# Altium PCB rv_ledbrick_8ch.PcbDoc (part 1 of 3) (continued)
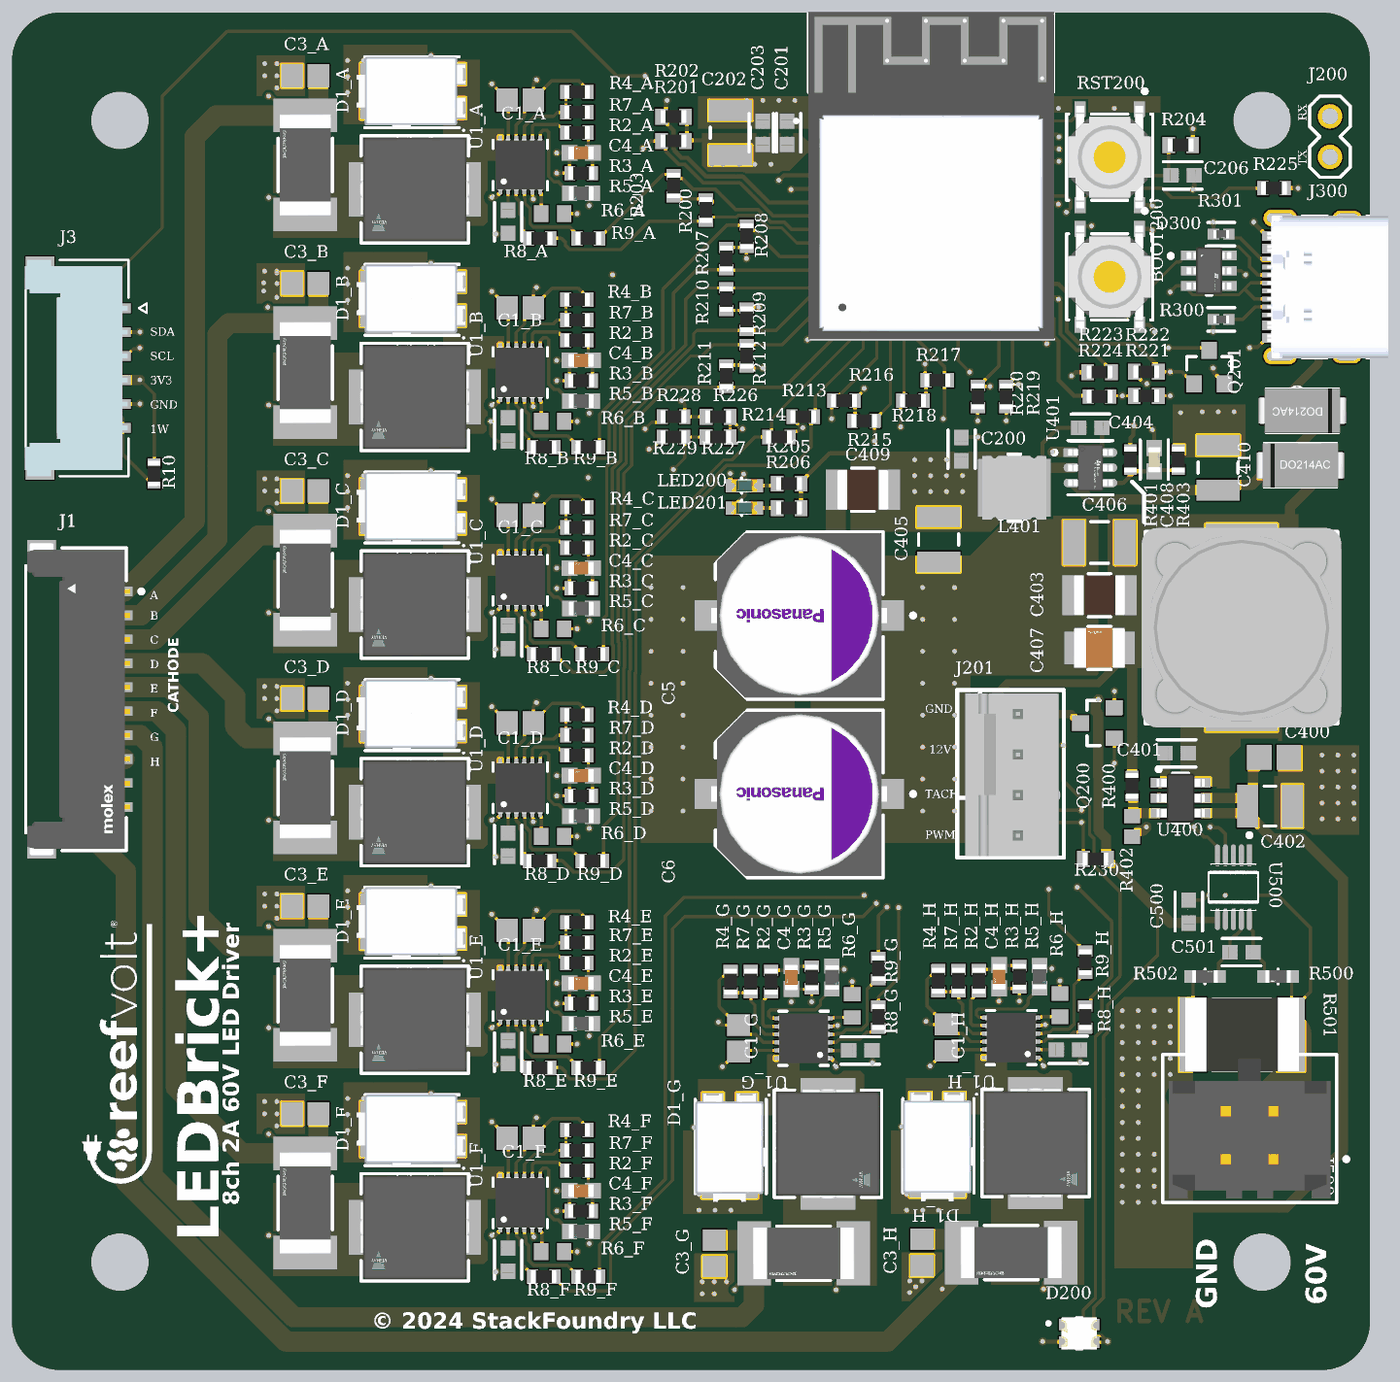
[diagram p6: 3D render of the assembled board from above, using the file's embedded part models]

## Layer stack, top to bottom
Top Solder: solder mask 1, SM-001, Dk 4
Top Layer: signal copper 1.378
Dielectric 1: prepreg 5.1, PP-017, Dk 4.3
Dielectric 2: prepreg 5.1, PP-017, Dk 4.3
Int1 (GND): signal copper 1.378
Dielectric 3: core 28, Core-039, Dk 4.8
Int2 (PWR): signal copper 1.378
Dielectric 4: prepreg 5.1, PP-017, Dk 4.3
Dielectric 5: prepreg 5.1, PP-017, Dk 4.3
Bottom Layer: signal copper 1.378
Bottom Solder: solder mask 1, SM-001, Dk 4

## Board outline
0,118.11 0,3228.35 cw(c118.11,3228.35) 118.11,3346.46 3228.35,3346.46 cw(c3228.35,3228.35) 3346.46,3228.35 3346.46,118.11 cw(c3228.35,118.11) 3228.35,0 118.11,0 cw(c118.11,118.11)

## Design rules (kind name [scope] priority, off if disabled: settings)
BoardOutlineClearance [All] p1: gap=20 ignorepadtopadclearanceinfootprint=FALSE
Clearance Clearance_HV [InNetClass('HV') vs Not InNetClass('HV')] p1: gap=9.84 ignorepadtopadclearanceinfootprint=FALSE except(5.91: SMDPad-SMDPad; 7.87: Track-SMDPad; 15.75: SMDPad-Poly Fill-Fill Fill-Poly Poly-Poly)
Clearance [All] p2: gap=6 ignorepadtopadclearanceinfootprint=FALSE
PolygonConnect [All] p1: thpad.connectstyle=Relief thpad.reliefconductorwidth=45 thpad.reliefentries=4 thpad.polygonreliefangle="90 Angle" thpad.airgapwidth=10 smdpad.connectstyle=Direct smdpad.reliefconductorwidth=10 smdpad.reliefentries=4 smdpad.polygonreliefangle="90 Angle" smdpad.airgapwidth=10 via.connectstyle=Direct via.reliefconductorwidth=10 via.reliefentries=4 via.polygonreliefangle="90 Angle" via.airgapwidth=10
RoomDefinition A [InComponentClass('A')] p1: confinementstyle=ConfineIn formatcopy=TRUE lockcomponents=FALSE outline 592.44,2755.91 1614.17,2755.91 1614.17,3267.72 592.44,3267.72
RoomDefinition U_rv_ledbrick_logic [InComponentClass('U_rv_ledbrick_logic')] p2: confinementstyle=ConfineIn formatcopy=TRUE lockcomponents=FALSE outline 1548.9,27.01 3318.9,27.01 3318.9,3377.01 1548.9,3377.01
RoomDefinition F [InComponentClass('F')] p3: confinementstyle=ConfineIn formatcopy=TRUE lockcomponents=FALSE outline 592.44,196.85 1614.17,196.85 1614.17,708.66 592.44,708.66
RoomDefinition C [InComponentClass('C')] p4: confinementstyle=ConfineIn formatcopy=TRUE lockcomponents=FALSE outline 592.44,1732.28 1614.17,1732.28 1614.17,2244.09 592.44,2244.09
RoomDefinition B [InComponentClass('B')] p5: confinementstyle=ConfineIn formatcopy=TRUE lockcomponents=FALSE outline 592.44,2244.09 1614.17,2244.09 1614.17,2755.91 592.44,2755.91
RoomDefinition D [InComponentClass('D')] p6: confinementstyle=ConfineIn formatcopy=TRUE lockcomponents=FALSE outline 592.44,1220.47 1614.17,1220.47 1614.17,1732.28 592.44,1732.28
RoomDefinition E [InComponentClass('E')] p7: confinementstyle=ConfineIn formatcopy=TRUE lockcomponents=FALSE outline 592.44,708.66 1614.17,708.66 1614.17,1220.47 592.44,1220.47
RoomDefinition H [InComponentClass('H')] p8: confinementstyle=ConfineIn formatcopy=TRUE lockcomponents=FALSE outline 2677.17,159.37 2677.17,1181.1 2165.35,1181.1 2165.35,159.37
RoomDefinition G [InComponentClass('G')] p9: confinementstyle=ConfineIn formatcopy=TRUE lockcomponents=FALSE outline 2165.35,157.48 2165.35,1179.21 1653.54,1179.21 1653.54,157.48
RoomDefinition U_dcdc_60v_12v [InComponentClass('U_dcdc_60v_12v')] p10: confinementstyle=ConfineIn formatcopy=TRUE lockcomponents=FALSE outline 1978.9,1267.01 3298.9,1267.01 3298.9,2437.01 1978.9,2437.01
RoomDefinition U_usb_input [InComponentClass('U_usb_input')] p11: confinementstyle=ConfineIn formatcopy=TRUE lockcomponents=FALSE outline 2818.9,2457.01 3418.9,2457.01 3418.9,2897.01 2818.9,2897.01
RoomDefinition U_vin_shunt [InComponentClass('U_vin_shunt')] p12: confinementstyle=ConfineIn formatcopy=TRUE lockcomponents=FALSE outline 2813.9,392.01 3308.9,392.01 3308.9,1362.01 2813.9,1362.01
RoutingVias [All] p1: holewidth=11.81 width=23.62 viastyle="Through Hole" minholewidth=11.81 minwidth=15.75 maxholewidth=39.37 maxwidth=78.74
SolderMaskExpansion [All] p1: expansion=4 istentingtop=FALSE
SupplyNets "Schematic Supply Nets_6" [InNet('3V3')] p1: voltage=0.000
SupplyNets "Schematic Supply Nets_5" [InNet('VBUS')] p2: voltage=0.000
SupplyNets "Schematic Supply Nets_2" [InNet('12V')] p3: voltage=0.000
SupplyNets "Schematic Supply Nets_1" [InNet('GND')] p4: voltage=0.000
SupplyNets "Schematic Supply Nets" [InNet('VIN')] p5: voltage=0.000
Width [All] p1: maxlimit=100 minlimit=6 preferedwidth=10 minimp=50.000000 maximp=50.000000 favimp=50.000000
30 further rules are at their usual default settings.

## Classes and differential pairs
net class HV: NetJ500_1 VIN
component class U_vin_shunt: C500 C501 J500 R500 R501 R502 U500
component class U_usb_input: D300 J300 R300 R301
component class U_rv_ledbrick_logic: BOOT200 C200 C201 C202 C203 C206 D200 J200 J201 LED200 LED201 Q200 Q201 R200 R201 R202 R203 R204 R205 R206 R207 R208 R209 R210 R211 R212 R213 R214 R215 R216 R217 R218 R219 R220 R221 R222 R223 R224 R225 R226 R227 R228 R229 R230 RST200 U200
component class U_dcdc_60v_12v: C400 C401 C402 C403 C404 C405 C406 C407 C408 C409 C410 D400 D401 L400 L401 R400 R401 R402 R403 U400 U401
component class rv_ledbrick_top: C5 C6 J1 J3 J4 R10
channel class TPS922053_ch: A B C D E F G H
component class H: C1_H C2_H C3_H C4_H D1_H L1_H R1_H R2_H R3_H R4_H R5_H R6_H R7_H R8_H R9_H U1_H
component class G: C1_G C2_G C3_G C4_G D1_G L1_G R1_G R2_G R3_G R4_G R5_G R6_G R7_G R8_G R9_G U1_G
component class F: C1_F C2_F C3_F C4_F D1_F L1_F R1_F R2_F R3_F R4_F R5_F R6_F R7_F R8_F R9_F U1_F
component class E: C1_E C2_E C3_E C4_E D1_E L1_E R1_E R2_E R3_E R4_E R5_E R6_E R7_E R8_E R9_E U1_E
component class D: C1_D C2_D C3_D C4_D D1_D L1_D R1_D R2_D R3_D R4_D R5_D R6_D R7_D R8_D R9_D U1_D
component class C: C1_C C2_C C3_C C4_C D1_C L1_C R1_C R2_C R3_C R4_C R5_C R6_C R7_C R8_C R9_C U1_C
component class B: C1_B C2_B C3_B C4_B D1_B L1_B R1_B R2_B R3_B R4_B R5_B R6_B R7_B R8_B R9_B U1_B
component class A: C1_A C2_A C3_A C4_A D1_A L1_A R1_A R2_A R3_A R4_A R5_A R6_A R7_A R8_A R9_A U1_A

## Components (designator, comment, footprint, x,y, rotation, side; value= is the part's Value field where it differs from the comment)
BOOT200 "PTS526SK15SMTR2LFS" FP-PTS526SK15SMTR2LFS-MFG 2705,2695 r270 top
C1_A "0.1uF X7R 100V 0805" CAPC2013X94X50NL20T25 1252.44,3130.63 r180 top value=100nF (schematic designator C1)
C1_B "0.1uF X7R 100V 0805" CAPC2013X94X50NL20T25 1252.44,2618.82 r180 top value=100nF (schematic designator C1)
C1_C "0.1uF X7R 100V 0805" CAPC2013X94X50NL20T25 1252.44,2107.01 r180 top value=100nF (schematic designator C1)
C1_D "0.1uF X7R 100V 0805" CAPC2013X94X50NL20T25 1252.44,1595.2 r180 top value=100nF (schematic designator C1)
C1_E "0.1uF X7R 100V 0805" CAPC2013X94X50NL20T25 1252.44,1083.39 r180 top value=100nF (schematic designator C1)
C1_F "0.1uF X7R 100V 0805" CAPC2013X94X50NL20T25 1252.44,571.57 r180 top value=100nF (schematic designator C1)
C1_G "0.1uF X7R 100V 0805" CAPC2013X94X50NL20T25 1790.63,817.48 r270 top value=100nF (schematic designator C1)
C1_H "0.1uF X7R 100V 0805" CAPC2013X94X50NL20T25 2302.44,819.37 r270 top value=100nF (schematic designator C1)
C2_A "CAP 1uF 10V X7R 0603" FP-CL10-IPC_B 1222.44,2830.63 r90 top (schematic designator C2)
C2_B "CAP 1uF 10V X7R 0603" FP-CL10-IPC_B 1222.44,2318.82 r90 top (schematic designator C2)
C2_C "CAP 1uF 10V X7R 0603" FP-CL10-IPC_B 1222.44,1807.01 r90 top (schematic designator C2)
C2_D "CAP 1uF 10V X7R 0603" FP-CL10-IPC_B 1222.44,1295.2 r90 top (schematic designator C2)
C2_E "CAP 1uF 10V X7R 0603" FP-CL10-IPC_B 1222.44,783.39 r90 top (schematic designator C2)
C2_F "CAP 1uF 10V X7R 0603" FP-CL10-IPC_B 1222.44,271.57 r90 top (schematic designator C2)
C2_G "CAP 1uF 10V X7R 0603" FP-CL10-IPC_B 2090.63,787.48 r180 top (schematic designator C2)
C2_H "CAP 1uF 10V X7R 0603" FP-CL10-IPC_B 2602.44,789.37 r180 top (schematic designator C2)
C3_A "0.1uF X7R 100V 0805" CAPC2013X94X50NL20T25 722.44,3190.63 r0 top value=100nF (schematic designator C3)
C3_B "0.1uF X7R 100V 0805" CAPC2013X94X50NL20T25 722.44,2678.82 r0 top value=100nF (schematic designator C3)
C3_C "0.1uF X7R 100V 0805" CAPC2013X94X50NL20T25 722.44,2167.01 r0 top value=100nF (schematic designator C3)
C3_D "0.1uF X7R 100V 0805" CAPC2013X94X50NL20T25 722.44,1655.2 r0 top value=100nF (schematic designator C3)
C3_E "0.1uF X7R 100V 0805" CAPC2013X94X50NL20T25 722.44,1143.39 r0 top value=100nF (schematic designator C3)
C3_F "0.1uF X7R 100V 0805" CAPC2013X94X50NL20T25 722.44,631.57 r0 top value=100nF (schematic designator C3)
C3_G "0.1uF X7R 100V 0805" CAPC2013X94X50NL20T25 1730.63,287.48 r90 top value=100nF (schematic designator C3)
C3_H "0.1uF X7R 100V 0805" CAPC2013X94X50NL20T25 2242.44,289.37 r90 top value=100nF (schematic designator C3)
C4_A "0.001uF 50V 0603 X7R" FP-0603-L_1_6_0_15-W_0_81-IPC_B 1402.44,3000.63 r180 top value=1nF (schematic designator C4)
C4_B "0.001uF 50V 0603 X7R" FP-0603-L_1_6_0_15-W_0_81-IPC_B 1402.44,2488.82 r180 top value=1nF (schematic designator C4)
C4_C "0.001uF 50V 0603 X7R" FP-0603-L_1_6_0_15-W_0_81-IPC_B 1402.44,1977.01 r180 top value=1nF (schematic designator C4)
C4_D "0.001uF 50V 0603 X7R" FP-0603-L_1_6_0_15-W_0_81-IPC_B 1402.44,1465.2 r180 top value=1nF (schematic designator C4)
C4_E "0.001uF 50V 0603 X7R" FP-0603-L_1_6_0_15-W_0_81-IPC_B 1402.44,953.39 r180 top value=1nF (schematic designator C4)
C4_F "0.001uF 50V 0603 X7R" FP-0603-L_1_6_0_15-W_0_81-IPC_B 1402.44,441.57 r180 top value=1nF (schematic designator C4)
C4_G "0.001uF 50V 0603 X7R" FP-0603-L_1_6_0_15-W_0_81-IPC_B 1920.63,967.48 r270 top value=1nF (schematic designator C4)
C4_H "0.001uF 50V 0603 X7R" FP-0603-L_1_6_0_15-W_0_81-IPC_B 2432.44,969.37 r270 top value=1nF (schematic designator C4)
C5 "CAP 56uF 80V Poly" FP-OS-CON-SMT-F12-MFG 1940,1860 r180 top value=56uF
C6 "CAP 56uF 80V Poly" FP-OS-CON-SMT-F12-MFG 1940,1420 r180 top value=56uF
C200 "CAP 0.1uF 50V X7R 0603" FP-CL10-IPC_B 2340,2270 r90 top value=0.1uF
C201 "CAP 0.1uF 50V X7R 0603" FP-CL10-IPC_B 1910,3050 r90 top value=0.1uF
C202 "CAP 4.7uF 50V X7R 1210" CAPC3225X20N 1770,3050 r270 top value=4.7uF
C203 "CAP 1uF 10V X7R 0603" FP-CL10-IPC_B 1850,3050 r90 top
C206 "CAP 1uF 10V X7R 0603" FP-CL10-IPC_B 2885,2945 r0 top
C400 "0.1uF X7R 100V 0805" CAPC2013X94X50ML20T25 3110,1510 r180 top value=100nF
C401 "CAP 0.1uF 50V X7R 0603" FP-CL10-IPC_B 2870,1520 r0 top value=0.1uF
C402 "CAP 4.7uF 50V X7R 1210" CAPC3225X20N 3100,1390 r180 top value=4.7uF
C403 "CAP 22uF 25V 1210 X7R" FP-1210-L_3_2_0_3-W_2_5_0-MFG 2680,1910 r180 top value=22uF
C404 "CAP 0.1uF 50V X7R 0603" FP-CL10-IPC_B 2657.48,2322.83 r180 top value=0.1uF
C405 "CAP 4.7uF 50V X7R 1210" CAPC3225X20N 2283.46,2047.24 r90 top value=4.7uF
C406 "CAP 0.47uF 1210 50V X7R" CAPC1210(3225)230_M 2680,2040 r0 top value=470nF
C407 "CAP 10uF 1210 63V X7R" FP-GRM32E-0_2-0_3-MFG 2680,1780 r180 top value=10uF
C408 "C0603C560J5GACTU" FP-C0603C-CF-IPC_B 2814.96,2244.09 r270 top value=56pF
C409 "CAP 22uF 25V 1210 X7R" FP-1210-L_3_2_0_3-W_2_5_0-MFG 2096.93,2170 r180 top value=22uF
C410 "CAP 4.7uF 50V X7R 1210" CAPC3225X20N 2972.44,2224.41 r270 top value=4.7uF
C500 "CAP 0.1uF 50V X7R 0603" FP-CL10-IPC_B 2900,1130 r90 top value=0.1uF
C501 "CAP 0.1uF 50V X7R 0603" FP-CL10-IPC_B 3030,1030 r180 top value=0.1uF
D1_A "PMEG100V100ELPDZ" DFN355P580X82-3N 1022.56,3152.56 r180 top (schematic designator D1)
D1_B "PMEG100V100ELPDZ" DFN355P580X82-3N 1022.56,2640.75 r180 top (schematic designator D1)
D1_C "PMEG100V100ELPDZ" DFN355P580X82-3N 1022.56,2128.94 r180 top (schematic designator D1)
D1_D "PMEG100V100ELPDZ" DFN355P580X82-3N 1022.56,1617.13 r180 top (schematic designator D1)
D1_E "PMEG100V100ELPDZ" DFN355P580X82-3N 1022.56,1105.32 r180 top (schematic designator D1)
D1_F "PMEG100V100ELPDZ" DFN355P580X82-3N 1022.56,593.5 r180 top (schematic designator D1)
D1_G "PMEG100V100ELPDZ" DFN355P580X82-3N 1768.7,587.6 r270 top (schematic designator D1)
D1_H "PMEG100V100ELPDZ" DFN355P580X82-3N 2280.51,589.49 r270 top (schematic designator D1)
D200 "WS2812B2020" LED_WS2812B2020 2630,90 r0 top
D300 "USBLC6-4SC6" FP-SOT23-6L-MFG 2950,2710 r0 top value=4pF
D400 "SS14" SMA 3180,2365 r180 top
D401 "SS14" SMA 3175,2230 r0 top
J1 "504050-1091" FP-504050-1091-MFG 157.48,1653.54 r90 top
J3 "5040500691" MOLEX_5040500691 160,2470 r90 top
J4 "504050-1091" FP-504050-1091-MFG 157.48,1653.54 r270 bottom
J200 "M02PTH" 1X02 3248.03,2990.55 r90 top
J201 "KK-254-4" KK-254-47053-3000 2474.02,1617.32 r90 top
J300 "10155435-00011LF" AMPHENOL_10155435-00011LF 3290,2670 r90 top
J500 "43045-0428" FP-43045-0428-MFG 3050,595 r0 top
L1_A "MWSA0603S-100MT" FP-IHLP-2525CZ-FP_2_413x3-MFG 992.44,2910.63 r180 top (schematic designator L1)
L1_B "MWSA0603S-100MT" FP-IHLP-2525CZ-FP_2_413x3-MFG 992.44,2398.82 r180 top (schematic designator L1)
L1_C "MWSA0603S-100MT" FP-IHLP-2525CZ-FP_2_413x3-MFG 992.44,1887.01 r180 top (schematic designator L1)
L1_D "MWSA0603S-100MT" FP-IHLP-2525CZ-FP_2_413x3-MFG 992.44,1375.2 r180 top (schematic designator L1)
L1_E "MWSA0603S-100MT" FP-IHLP-2525CZ-FP_2_413x3-MFG 992.44,863.39 r180 top (schematic designator L1)
L1_F "MWSA0603S-100MT" FP-IHLP-2525CZ-FP_2_413x3-MFG 992.44,351.57 r180 top (schematic designator L1)
L1_G "MWSA0603S-100MT" FP-IHLP-2525CZ-FP_2_413x3-MFG 2010.63,557.48 r270 top (schematic designator L1)
L1_H "MWSA0603S-100MT" FP-IHLP-2525CZ-FP_2_413x3-MFG 2522.44,559.37 r270 top (schematic designator L1)
L400 "SRR1260-680M" SRR1260-680M-Footprint-1 3030,1830 r90 top value=110MR
L401 "SRN4018-4R7M" FP-SRN4018-MFG 2470,2175 r180 top value=4.7uH
LED200 "LED0603" LED-0603 1805,2180 r90 top
LED201 "LED0603" LED-0603 1805,2125 r90 top
Q200 "AO3400A" SOT23-3 2677.17,1594.49 r90 top
Q201 "AO3400A" SOT23-3 2950,2470 r0 top
R1_A "MFL12HR100FT" FP-CRA2512-MFG 722.44,2970.63 r90 top (schematic designator R1)
R1_B "MFL12HR100FT" FP-CRA2512-MFG 722.44,2458.82 r90 top (schematic designator R1)
R1_C "MFL12HR100FT" FP-CRA2512-MFG 722.44,1947.01 r90 top (schematic designator R1)
R1_D "MFL12HR100FT" FP-CRA2512-MFG 722.44,1435.2 r90 top (schematic designator R1)
R1_E "MFL12HR100FT" FP-CRA2512-MFG 722.44,923.39 r90 top (schematic designator R1)
R1_F "MFL12HR100FT" FP-CRA2512-MFG 722.44,411.57 r90 top (schematic designator R1)
R1_G "MFL12HR100FT" FP-CRA2512-MFG 1950.63,287.48 r180 top (schematic designator R1)
R1_H "MFL12HR100FT" FP-CRA2512-MFG 2462.44,289.37 r180 top (schematic designator R1)
R2_A "1K 0603 1%" RESC1608-IPC-NL 1392.44,3050.63 r0 top (schematic designator R2)
R2_B "1K 0603 1%" RESC1608-IPC-NL 1392.44,2538.82 r0 top (schematic designator R2)
R2_C "1K 0603 1%" RESC1608-IPC-NL 1392.44,2027.01 r0 top (schematic designator R2)
R2_D "1K 0603 1%" RESC1608-IPC-NL 1392.44,1515.2 r0 top (schematic designator R2)
R2_E "1K 0603 1%" RESC1608-IPC-NL 1392.44,1003.39 r0 top (schematic designator R2)
R2_F "1K 0603 1%" RESC1608-IPC-NL 1392.44,491.57 r0 top (schematic designator R2)
R2_G "1K 0603 1%" RESC1608-IPC-NL 1870.63,957.48 r90 top (schematic designator R2)
R2_H "1K 0603 1%" RESC1608-IPC-NL 2382.44,959.37 r90 top (schematic designator R2)
R3_A "1M 0603 1%" RESC1608-IPC-NL 1402.44,2950.63 r0 top (schematic designator R3)
R3_B "1M 0603 1%" RESC1608-IPC-NL 1402.44,2438.82 r0 top (schematic designator R3)
R3_C "1M 0603 1%" RESC1608-IPC-NL 1402.44,1927.01 r0 top (schematic designator R3)
R3_D "1M 0603 1%" RESC1608-IPC-NL 1402.44,1415.2 r0 top (schematic designator R3)
R3_E "1M 0603 1%" RESC1608-IPC-NL 1402.44,903.39 r0 top (schematic designator R3)
R3_F "1M 0603 1%" RESC1608-IPC-NL 1402.44,391.57 r0 top (schematic designator R3)
R3_G "1M 0603 1%" RESC1608-IPC-NL 1970.63,967.48 r90 top (schematic designator R3)
R3_H "1M 0603 1%" RESC1608-IPC-NL 2482.44,969.37 r90 top (schematic designator R3)
R4_A "309k 0603 1%" RESC1608-IPC-NL 1392.44,3150.63 r0 top (schematic designator R4)
R4_B "309k 0603 1%" RESC1608-IPC-NL 1392.44,2638.82 r0 top (schematic designator R4)
R4_C "309k 0603 1%" RESC1608-IPC-NL 1392.44,2127.01 r0 top (schematic designator R4)
R4_D "309k 0603 1%" RESC1608-IPC-NL 1392.44,1615.2 r0 top (schematic designator R4)
R4_E "309k 0603 1%" RESC1608-IPC-NL 1392.44,1103.39 r0 top (schematic designator R4)
R4_F "309k 0603 1%" RESC1608-IPC-NL 1392.44,591.57 r0 top (schematic designator R4)
R4_G "309k 0603 1%" RESC1608-IPC-NL 1770.63,957.48 r90 top (schematic designator R4)
R4_H "309k 0603 1%" RESC1608-IPC-NL 2282.44,959.37 r90 top (schematic designator R4)
R5_A "18k 0603" FP-CRCW0603-e3-IPC_B 1402.44,2900.63 r180 top value=18k (schematic designator R5)
R5_B "18k 0603" FP-CRCW0603-e3-IPC_B 1402.44,2388.82 r180 top value=18k (schematic designator R5)
R5_C "18k 0603" FP-CRCW0603-e3-IPC_B 1402.44,1877.01 r180 top value=18k (schematic designator R5)
R5_D "18k 0603" FP-CRCW0603-e3-IPC_B 1402.44,1365.2 r180 top value=18k (schematic designator R5)
R5_E "18k 0603" FP-CRCW0603-e3-IPC_B 1402.44,853.39 r180 top value=18k (schematic designator R5)
R5_F "18k 0603" FP-CRCW0603-e3-IPC_B 1402.44,341.57 r180 top value=18k (schematic designator R5)
R5_G "18k 0603" FP-CRCW0603-e3-IPC_B 2020.63,967.48 r270 top value=18k (schematic designator R5)
R5_H "18k 0603" FP-CRCW0603-e3-IPC_B 2532.44,969.37 r270 top value=18k (schematic designator R5)
R6_A "ERJ-3EKF6192V" RESC1608X55X30ML15T15 1332.44,2850.63 r180 top value=61.9k (schematic designator R6)
R6_B "ERJ-3EKF6192V" RESC1608X55X30ML15T15 1332.44,2338.82 r180 top value=61.9k (schematic designator R6)
R6_C "ERJ-3EKF6192V" RESC1608X55X30ML15T15 1332.44,1827.01 r180 top value=61.9k (schematic designator R6)
R6_D "ERJ-3EKF6192V" RESC1608X55X30ML15T15 1332.44,1315.2 r180 top value=61.9k (schematic designator R6)
R6_E "ERJ-3EKF6192V" RESC1608X55X30ML15T15 1332.44,803.39 r180 top value=61.9k (schematic designator R6)
R6_F "ERJ-3EKF6192V" RESC1608X55X30ML15T15 1332.44,291.57 r180 top value=61.9k (schematic designator R6)
R6_G "ERJ-3EKF6192V" RESC1608X55X30ML15T15 2070.63,897.48 r270 top value=61.9k (schematic designator R6)
R6_H "ERJ-3EKF6192V" RESC1608X55X30ML15T15 2582.44,899.37 r270 top value=61.9k (schematic designator R6)
R7_A "100k 0603 1%" RESC1608-IPC-NL 1392.44,3100.63 r180 top (schematic designator R7)
R7_B "100k 0603 1%" RESC1608-IPC-NL 1392.44,2588.82 r180 top (schematic designator R7)
R7_C "100k 0603 1%" RESC1608-IPC-NL 1392.44,2077.01 r180 top (schematic designator R7)
R7_D "100k 0603 1%" RESC1608-IPC-NL 1392.44,1565.2 r180 top (schematic designator R7)
R7_E "100k 0603 1%" RESC1608-IPC-NL 1392.44,1053.39 r180 top (schematic designator R7)
R7_F "100k 0603 1%" RESC1608-IPC-NL 1392.44,541.57 r180 top (schematic designator R7)
R7_G "100k 0603 1%" RESC1608-IPC-NL 1820.63,957.48 r270 top (schematic designator R7)
R7_H "100k 0603 1%" RESC1608-IPC-NL 2332.44,959.37 r270 top (schematic designator R7)
R8_A "10R 0603 1%" RESC1608-IPC-NL 1300,2790 r180 top (schematic designator R8)
R8_B "10R 0603 1%" RESC1608-IPC-NL 1310,2275 r180 top (schematic designator R8)
R8_C "10R 0603 1%" RESC1608-IPC-NL 1310,1765 r180 top (schematic designator R8)
R8_D "10R 0603 1%" RESC1608-IPC-NL 1300,1255 r180 top (schematic designator R8)
R8_E "10R 0603 1%" RESC1608-IPC-NL 1300,745 r180 top (schematic designator R8)
R8_F "10R 0603 1%" RESC1608-IPC-NL 1310,230 r180 top (schematic designator R8)
R8_G "10R 0603 1%" RESC1608-IPC-NL 2135,870 r270 top (schematic designator R8)
R8_H "10R 0603 1%" RESC1608-IPC-NL 2645,870 r270 top (schematic designator R8)
R9_A "10R 0603 1%" RESC1608-IPC-NL 1420,2790 r180 top (schematic designator R9)
R9_B "10R 0603 1%" RESC1608-IPC-NL 1420,2275 r180 top (schematic designator R9)
R9_C "10R 0603 1%" RESC1608-IPC-NL 1430,1765 r180 top (schematic designator R9)
R9_D "10R 0603 1%" RESC1608-IPC-NL 1430,1255 r180 top (schematic designator R9)
R9_E "10R 0603 1%" RESC1608-IPC-NL 1420,745 r180 top (schematic designator R9)
R9_F "10R 0603 1%" RESC1608-IPC-NL 1420,230 r180 top (schematic designator R9)
R9_G "10R 0603 1%" RESC1608-IPC-NL 2135,990 r270 top (schematic designator R9)
R9_H "10R 0603 1%" RESC1608-IPC-NL 2645,1005 r270 top (schematic designator R9)
R10 "4.7k 0603 1%" RESC1608-IPC-LL 350,2210 r90 top
R200 "10K 0603 1%" RESC1608-IPC-NL 1710,2860 r270 top value=10k
R201 "10K 0603 1%" RESC1608-IPC-ML 1630,3030 r0 top value=10k
R202 "10K 0603 1%" RESC1608-IPC-ML 1630,3090 r0 top value=10k
R203 "10K 0603 1%" RESC1608-IPC-NL 1630,2920 r90 top value=10k
R204 "10K 0603 1%" RESC1608-IPC-ML 2880,3020 r0 top value=10k
R205 "1K 0603 1%" RESC1608-IPC-ML 1915,2185 r0 top
R206 "1K 0603 1%" RESC1608-IPC-ML 1915,2125 r0 top
R207 "10K 0603 1%" RESC1608-IPC-NL 1760,2740 r270 top value=10k
R208 "10K 0603 1%" RESC1608-IPC-NL 1811.02,2795.28 r90 top value=10k
R209 "10K 0603 1%" RESC1608-IPC-NL 1810,2590 r270 top value=10k
R210 "10K 0603 1%" RESC1608-IPC-NL 1760,2640 r90 top value=10k
R211 "10K 0603 1%" RESC1608-IPC-NL 1760,2450 r270 top value=10k
R212 "10K 0603 1%" RESC1608-IPC-NL 1810,2500 r90 top value=10k
R213 "10K 0603 1%" RESC1608-IPC-NL 1950,2350 r0 top value=10k
R214 "10K 0603 1%" RESC1608-IPC-NL 1890,2300 r180 top value=10k
R215 "10K 0603 1%" RESC1608-IPC-NL 2100,2340 r0 top value=10k
R216 "10K 0603 1%" RESC1608-IPC-NL 2050,2390 r180 top value=10k
R217 "10K 0603 1%" RESC1608-IPC-NL 2280,2440 r0 top value=10k
R218 "10K 0603 1%" RESC1608-IPC-NL 2220,2390 r180 top value=10k
R219 "10K 0603 1%" RESC1608-IPC-NL 2450,2400 r90 top value=10k
R220 "10K 0603 1%" RESC1608-IPC-NL 2380,2400 r90 top value=10k
R221 "10K 0603 1%" RESC1608-IPC-ML 2795.28,2401.57 r0 top value=10k
R222 "10K 0603 1%" RESC1608-IPC-ML 2795.28,2460.63 r0 top value=10k
R223 "10K 0603 1%" RESC1608-IPC-ML 2680,2460 r0 top value=10k
R224 "10R 0603 1%" RESC1608-IPC-NL 2680,2400 r0 top
R225 "10K 0603 1%" RESC1608-IPC-NL 3110.24,2913.39 r180 top value=10k
R226 "10K 0603 1%" RESC1608-IPC-ML 1740,2350 r0 top value=10k
R227 "10K 0603 1%" RESC1608-IPC-ML 1740,2300 r0 top value=10k
R228 "10R 0603 1%" RESC1608-IPC-NL 1630,2350 r0 top
R229 "10R 0603 1%" RESC1608-IPC-NL 1630,2300 r0 top
R230 "1K 0603 1%" RESC1608-IPC-ML 2670,1260 r0 top
R300 "AC0402FR-075K1L" FP-AC0402-IPC_A 2980,2590 r0 top value=5.1kR
R301 "AC0402FR-075K1L" FP-AC0402-IPC_A 2980,2800 r0 top value=5.1kR
R400 "100k 0603 1%" RESC1608-IPC-LL 2760,1440 r90 top
R401 "100k 0603 1%" RESC1608-IPC-LL 2755.91,2244.09 r90 top
R402 "7.15k 0603 0.1%" RESC1608X55X30NL20T20 2760,1340 r90 top value=7.15kR
R403 "22.1k 0603 0.1%" RESC1608-IPC-LL 2874.02,2244.09 r270 top value=22.1k
R500 "100R 0603 1%" FP-RC0603-0_55-MFG 3120,970 r180 top value=100
R501 "0R005 HOXLR2817-5W-5MR-1%" RESC7146X09N 3031.5,826.77 r0 top value=5mR
R502 "100R 0603 1%" FP-RC0603-0_55-MFG 2940,970 r0 top value=100
RST200 "PTS526SK15SMTR2LFS" FP-PTS526SK15SMTR2LFS-MFG 2705,2990 r270 top
U1_A "TPS922053DRRR" SON50P300X100_HS-13N 1252.44,2970.63 r90 top (schematic designator U1)
U1_B "TPS922053DRRR" SON50P300X100_HS-13N 1252.44,2458.82 r90 top (schematic designator U1)
U1_C "TPS922053DRRR" SON50P300X100_HS-13N 1252.44,1947.01 r90 top (schematic designator U1)
U1_D "TPS922053DRRR" SON50P300X100_HS-13N 1252.44,1435.2 r90 top (schematic designator U1)
U1_E "TPS922053DRRR" SON50P300X100_HS-13N 1252.44,923.39 r90 top (schematic designator U1)
U1_F "TPS922053DRRR" SON50P300X100_HS-13N 1252.44,411.57 r90 top (schematic designator U1)
U1_G "TPS922053DRRR" SON50P300X100_HS-13N 1950.63,817.48 r180 top (schematic designator U1)
U1_H "TPS922053DRRR" SON50P300X100_HS-13N 2462.44,819.37 r180 top (schematic designator U1)
U200 "ESP32-S3-MINI-1-N8" XCVR_ESP32-S3-MINI-1-N8 2264.96,2844.96 r0 top
U400 "LMR51610XFDBVR" SOT95P280X145-6N 2880,1410 r0 top
U401 "TPS54202DDCR" FP-DDC0006A-IPC_C 2657.48,2224.41 r0 top
U500 "INA228AIDGST" FP-DGS0010A-IPC_C 3010,1190 r270 top

## Footprints (in the part's own frame and the unit in brackets; to place one, negate y for a bottom-side part, rotate by r counter-clockwise, add the part's x,y. Pads: shape width x height; smd on the part's side, far side on the other; paste and mask are expansions set on the pad)
1X02 [mil]
  round 60 hole 40: 1(0,0) 2(100,0)
  silkscreen extent -50,-50 150,50
AMPHENOL_10155435-00011LF [mm]
  rect 0.6x1.14 smd: A1_B12(-3.2,4.75) A4_B9(-2.4,4.75) B1_A12(3.2,4.75) B4_A9(2.4,4.75)
  rect 0.3x1.14 smd: A5(-1.25,4.75) A6(-0.25,4.75) A7(0.25,4.75) A8(1.25,4.75) B5(1.75,4.75) B6(0.75,4.75) B7(-0.75,4.75) B8(-1.75,4.75)
  oval 1.05x2.1 hole 0.6 slot 1.7 at 90 deg: SH1(-4.32,4.18) SH2(4.32,4.18)
  oval 0.9x1.8 hole 0.6 slot 1.4 at 90 deg: SH3(-4.32,0) SH4(4.32,0)
  round 0.65 hole 0.65 unplated: ""(-2.89,3.68) ""(2.89,3.68)
  silkscreen extent -4.47,-2.6 4.47,2.81, body extent -4.47,-2.6 4.47,5, height 3.26
CAPC1210(3225)230_M [mm] "Chip Capacitor, Body 3.2x2.5mm, Height 2.3mm, IPC Low Density"
  rect 1.35x2.8 smd: 1(-1.6,0) 2(1.6,0)
  silkscreen extent -0.55,-1.3 0.55,1.3, body extent -1.7,-1.35 1.7,1.35, height 2.3
CAPC2013X94X50ML20T25 [mm] "Chip Capacitor, 2-Leads, Body 2.01x1.25mm, IPC Low Density"
  rect 1.55x1.55 smd: 1(-0.925,0) 2(0.925,0)
  body extent -1.1,-0.72 1.11,0.72, height 0.94
CAPC2013X94X50NL20T25 [mm] "Chip Capacitor, 2-Leads, Body 2.01x1.25mm, IPC Medium Density"
  rect 1.35x1.45 smd: 1(-0.825,0) 2(0.825,0)
  body extent -1.1,-0.72 1.11,0.72, height 0.94
CAPC3225X20N [mm] "Chip Capacitor, 2-Leads, Body 3.20x2.50mm, IPC Medium Density"
  rect 1.3x2.7 smd: 1(-1.4,0) 2(1.4,0)
  silkscreen extent -0.35,-1.25 0.35,1.25, body extent -1.7,-1.35 1.7,1.35, height 2
DFN355P580X82-3N [mm] "DFN, 3-Leads, Body 4.30x5.80mm, Pitch 3.55mm, IPC Medium Density"
  rect 1.3x1.35 smd: 1(-1.775,1.065) 2(-1.775,-1.065)
  rect 4.8x3.5 smd: 3(1.775,0)
  silkscreen extent -2.34,-2.16 3.89,2.5, body extent -2.39,-2.16 4.41,2.29, height 0.98
FP-0603-L_1_6_0_15-W_0_81-IPC_B [mil]
  rect 39.63x38.12 smd paste+0 mask+0: 1(-28.58,0) 2(28.58,0)
  body extent -58,-29 58,29, height 10
FP-1210-L_3_2_0_3-W_2_5_0-MFG [mm]
  rect 1.25x2.5 smd paste+0 mask+0: 1(-1.7,0) 2(1.7,0)
  silkscreen extent -0.7,-1.35 0.7,1.35, body extent -2.42,-1.45 2.42,1.45, height 0.25
FP-43045-0428-MFG [mm]
  rect 1.57x1.57 hole 1.02 paste-2539.97 mask+0: 1(1.5,-1.915)
  round 1.57 hole 1.02 paste-2539.97 mask+0: 2(-1.5,-1.915) 3(1.5,1.085) 4(-1.5,1.085)
  round 1.02 hole 1.02 unplated paste-2539.97 mask+0: ""(-4.5,2.025) ""(4.5,2.025)
  silkscreen extent -5.45,-4.63 6.18,4.63, body extent -5.55,-4.73 5.55,4.73, height 0.25
FP-504050-1091-MFG [mm]
  rect 0.6x1 smd paste+0 mask+0: 1(6.75,-3.04) 2(5.25,-3.04) 3(3.75,-3.04) 4(2.25,-3.04) 5(0.75,-3.04) 6(-0.75,-3.04) 7(-2.25,-3.04) 8(-3.75,-3.04) 9(-5.25,-3.04) 10(-6.75,-3.04)
  rect 1.25x1.8 smd paste+0 mask+0: 11(-9.355,2.15) 12(9.355,2.15)
  silkscreen extent -9.48,-4.22 9.48,3.15, body extent -10.08,-3.64 10.08,3.25, height 0.25
FP-AC0402-IPC_A [mil]
  rect 28.16x26.48 smd paste+0 mask+0: 1(-18.84,0) 2(18.84,0)
  silkscreen extent -33,-29 33,29, body extent -41,-21 41,21, height 10
FP-C0603C-CF-IPC_B [mil]
  rect 39.63x37.73 smd paste+0 mask+0: 1(-28.58,0) 2(28.58,0)
  silkscreen extent -48,-35 48,35, body extent -58,-29 58,29, height 10
FP-CL10-IPC_B [mil]
  rect 37.72x35.91 smd paste+0 mask+0: 1(-28.62,0) 2(28.62,0)
  silkscreen extent -47,-34 47,34, body extent -57,-28 57,28, height 10
FP-CRA2512-MFG [mm]
  rect 2.1x4 smd paste+0 mask+0: 1(-3.1,0) 2(3.1,0)
  silkscreen extent -1.68,-1.7 1.68,1.7, body extent -4.25,-2.1 4.25,2.1, height 0.25
FP-CRCW0603-e3-IPC_B [mil]
  rect 36.81x37.88 smd paste+0 mask+0: 1(-28.17,0) 2(28.17,0)
  body extent -56,-29 56,29, height 10
FP-DDC0006A-IPC_C [mm]
  rect 1.254x0.532 smd paste+0 mask+0: 1(-1.05,0.95)
  rrect100% 1.254x0.532 smd paste+0 mask+0: 2(-1.05,0) 3(-1.05,-0.95) 4(1.05,-0.95) 5(1.05,0) 6(1.05,0.95)
  silkscreen extent -2.37,-1.7 1.4,1.7, body extent -1.78,-1.55 1.78,1.55, height 0.25
FP-DGS0010A-IPC_C [mm]
  rect 1.257x0.312 smd paste+0 mask+0: 1(-2.051,1)
  rrect100% 1.257x0.312 smd paste+0 mask+0: 2(-2.051,0.5) 3(-2.051,0) 4(-2.051,-0.5) 5(-2.051,-1) 6(2.051,-1) 7(2.051,-0.5) 8(2.051,0) 9(2.051,0.5) 10(2.051,1)
  silkscreen extent -3.38,-1.5 0.92,1.5, body extent -2.78,-1.6 2.78,1.6, height 0.25
FP-GRM32E-0_2-0_3-MFG [mm]
  rect 1.1x2.05 smd paste+0 mask+0: 1(-1.65,0) 2(1.65,0)
  silkscreen extent -0.72,-1.35 0.72,1.35, body extent -2.3,-1.45 2.3,1.45, height 0.25
FP-IHLP-2525CZ-FP_2_413x3-MFG [mil]
  rect 95x135 smd paste+0 mask+0: 1(-115,0) 2(115,0)
  silkscreen extent -132,-132 132,132, body extent -166,-136 166,136, height 10
FP-OS-CON-SMT-F12-MFG [mm]
  rect 4.4x1.9 smd paste+0 mask+0: 1(-4.35,0) 2(4.35,0)
  silkscreen extent -7.25,-5.25 5.25,5.25, body extent -6.8,-5.5 6.8,5.5, height 0.25
FP-PTS526SK15SMTR2LFS-MFG [mm]
  rect 1x0.7 smd paste+0 mask+0: 1(-3,1.85) 2(3,1.85) 3(-3,-1.85) 4(3,-1.85)
  silkscreen extent -4.25,-2.7 2.7,2.7, body extent -3.6,-2.8 3.6,2.8, height 0.25
FP-RC0603-0_55-MFG [mm]
  rect 0.9x0.8 smd paste+0 mask+0: 1(-0.85,0) 2(0.85,0)
  silkscreen extent 0,-0.45 0,0.45, body extent -1.4,-0.55 1.4,0.55, height 0.25
FP-SOT23-6L-MFG [mm]
  rect 1.2x0.6 smd paste+0 mask+0: 1(-1.15,0.95) 2(-1.15,0) 3(-1.15,-0.95) 4(1.15,-0.95) 5(1.15,0) 6(1.15,0.95)
  silkscreen extent -2.52,-1.53 0.18,1.53, body extent -1.85,-1.63 1.85,1.63, height 0.25
FP-SRN4018-MFG [mm]
  rect 1.5x3.6 smd paste+0 mask+0: 1(-1.525,0) 2(1.525,0)
  silkscreen extent -0.4,-2.1 0.4,2.1, body extent -2,-2 2,2, height 1.66
KK-254-47053-3000 [mm] "Description: KK® 254 Vertical Header, with Friction Lock, 4 Circuits, PC Tail Length: 4.00mm"
  round 1.5 hole 1.02: 1(0,0) 2(-2.54,0) 3(-5.08,0) 4(-7.62,0)
  round 0 hole 1.25 unplated: GUIDE(-5.08,-2.16)
  silkscreen extent -9,-3 1.5,3.68, body extent -8.91,-2.67 1.29,3.17, height 9.85
LED-0603 [mil]
  rect 32x32 smd: A(0,-29.53) C(0,30)
  silkscreen extent -18,-6 19,8, body extent -16,-31 16,31, height 24
LED_WS2812B2020 [mm]
  rect 0.7x0.7 smd: 1(-0.915,0.55) 2(-0.915,-0.55) 3(0.915,-0.55) 4(0.915,0.55)
  silkscreen extent -2.03,-1 0.2,1, body extent -1.1,-1 1.1,1, height 0.84
MOLEX_5040500691 [mm]
  rect 0.6x1 smd mask+0.076: 1(3.75,-2.87) 2(2.25,-2.87) 3(0.75,-2.87) 4(-0.75,-2.87) 5(-2.25,-2.87) 6(-3.75,-2.87)
  rect 1.25x1.8 smd mask+0.076: S1(6.355,2.32) S2(-6.355,2.32)
  silkscreen extent -6.78,-4.37 6.78,3.22, body extent -6.78,-3.18 6.78,3.26, height 2
RESC1608-IPC-LL [mm] "Chip Resistor, 2-Leads, Body 1.60x0.80mm, IPC High Density"
  rect 0.6x0.8 smd: 1(-0.65,0) 2(0.65,0)
  body extent -0.8,-0.4 0.8,0.4, height 0.45
RESC1608-IPC-ML [mm] "Chip Resistor, 2-Leads, Body 1.60x0.80mm, IPC Low Density"
  rect 0.8x1 smd: 1(-0.75,0) 2(0.75,0)
  body extent -0.8,-0.4 0.8,0.4, height 0.45
RESC1608-IPC-NL [mm] "Chip Resistor, 2-Leads, Body 1.60x0.80mm, IPC Medium Density"
  rect 0.7x0.9 smd: 1(-0.7,0) 2(0.7,0)
  body extent -0.8,-0.4 0.8,0.4, height 0.45
RESC1608X55X30ML15T15 [mm] "Chip Resistor, 2-Leads, Body 1.60x0.80mm, IPC Low Density"
  rect 0.9x1.05 smd: 1(-0.725,0) 2(0.725,0)
  body extent -0.87,-0.48 0.87,0.48, height 0.55
RESC1608X55X30NL20T20 [mm] "Chip Resistor, 2-Leads, Body 1.60x0.80mm, IPC Medium Density"
  rect 0.9x1 smd: 1(-0.65,0) 2(0.65,0)
  body extent -0.9,-0.5 0.9,0.5, height 0.55
RESC7146X09N [mm] "Chip Resistor, 2-Leads, Body 7.10x4.60mm, IPC Medium Density"
  rect 1.7x4.65 smd: 1(-3.075,0) 2(3.075,0)
  silkscreen extent -1.85,-2.23 1.85,2.22, body extent -3.55,-2.3 3.55,2.3, height 0.9
SMA [mil]
  rect 60x66 smd: A(74,0) K(-74,0)
  silkscreen extent -90,-55 90,55, body extent -108,-55 108,55, height 91
SON50P300X100_HS-13N [mm] "SON, 12-Leads, Body 3.00x3.00mm, Pitch 0.50mm, Thermal Pad 2.50x1.49mm, IPC Medium Density"
  rrect50% 0.9x0.25 smd: 1(-1.395,1.25) 2(-1.395,0.75) 3(-1.395,0.25) 4(-1.395,-0.25) 5(-1.395,-0.75) 6(-1.395,-1.25) 7(1.395,-1.25) 8(1.395,-0.75) 9(1.395,-0.25) 10(1.395,0.25) 11(1.395,0.75) 12(1.395,1.25)
  rect 1.49x2.5 smd: 13(0,0)
  silkscreen extent -2,-1.7 1.55,1.75, body extent -1.6,-1.55 1.6,1.55, height 1
SOT23-3 [mil]
  rect 38x42 smd: 1(-37.4,-39.37) 2(38,-39.37) 3(0,44)
  silkscreen extent -55,-4 56,28, body extent -57,-50 57,60, height 51
SOT95P280X145-6N [mm] "SOT23, 6-Leads, Body 2.90x2.80mm, Pitch 0.95mm, IPC Medium Density"
  rect 1x0.6 smd: 1(-1.375,0.95) 2(-1.375,0) 3(-1.375,-0.95) 4(1.375,-0.95) 5(1.375,0) 6(1.375,0.95)
  silkscreen extent -1.5,-1.55 0.5,1.92, body extent -1.5,-1.53 1.5,1.53, height 1.45
SRR1260-680M-Footprint-1 [mm]
  rect 3x4.5 smd: 1(-5,0) 2(5,0)
  silkscreen extent -6,-6 6,6, body extent -6.25,-6.25 6.25,6.25, height 6.01
XCVR_ESP32-S3-MINI-1-N8 [mm]
  rect 0.8x0.4 smd: 1(-7,5.95) 2(-7,5.1) 3(-7,4.25) 4(-7,3.4) 5(-7,2.55) 6(-7,1.7) 7(-7,0.85) 8(-7,0) 9(-7,-0.85) 10(-7,-1.7) 11(-7,-2.55) 12(-7,-3.4) 13(-7,-4.25) 14(-7,-5.1) 15(-7,-5.95) 31(7,-5.95) 32(7,-5.1) 33(7,-4.25) 34(7,-3.4) 35(7,-2.55) 36(7,-1.7) 37(7,-0.85) 38(7,0) 39(7,0.85) 40(7,1.7) 41(7,2.55) 42(7,3.4) 43(7,4.25) 44(7,5.1) 45(7,5.95)
  rect 0.4x0.8 smd: 16(-5.95,-7) 17(-5.1,-7) 18(-4.25,-7) 19(-3.4,-7) 20(-2.55,-7) 21(-1.7,-7) 22(-0.85,-7) 23(0,-7) 24(0.85,-7) 25(1.7,-7) 26(2.55,-7) 27(3.4,-7) 28(4.25,-7) 29(5.1,-7) 30(5.95,-7) 46(5.95,7) 47(5.1,7) 48(4.25,7) 49(3.4,7) 50(2.55,7) 51(1.7,7) 52(0.85,7) 53(0,7) 54(-0.85,7) 55(-1.7,7) 56(-2.55,7) 57(-3.4,7) 58(-4.25,7) 59(-5.1,7) 60(-5.95,7)
  rect 1.2x1.2 smd: 61(0,0) 61_2(0,1.65) 61_3(1.65,1.65) 61_4(1.65,0) 61_5(1.65,-1.65) 61_6(0,-1.65) 61_7(-1.65,-1.65) 61_8(-1.65,0)
  rect 0.4x0.4 smd paste-1 mask+0: 61_1(-1.65,1.65)
  rect 0.8x0.8 smd: 62(-7,7) 63(-7,-7) 64(7,-7) 65(7,7)
  Top Layer region: -1.05,1.05 -2.25,1.05 -2.25,1.65 -1.65,2.25 -1.05,2.25
  Keep-Out Layer region: 7.7,7.725 -7.7,7.725 -7.7,12.775 7.7,12.775
  Keep-Out Layer region: 7.7,7.725 -7.7,7.725 -7.7,12.775 7.7,12.775
  silkscreen extent -8.55,-7.73 7.7,12.78, body extent -7.7,-7.73 7.7,12.78, height 2.55